# KiCad board Controller.kicad_pcb (continued)
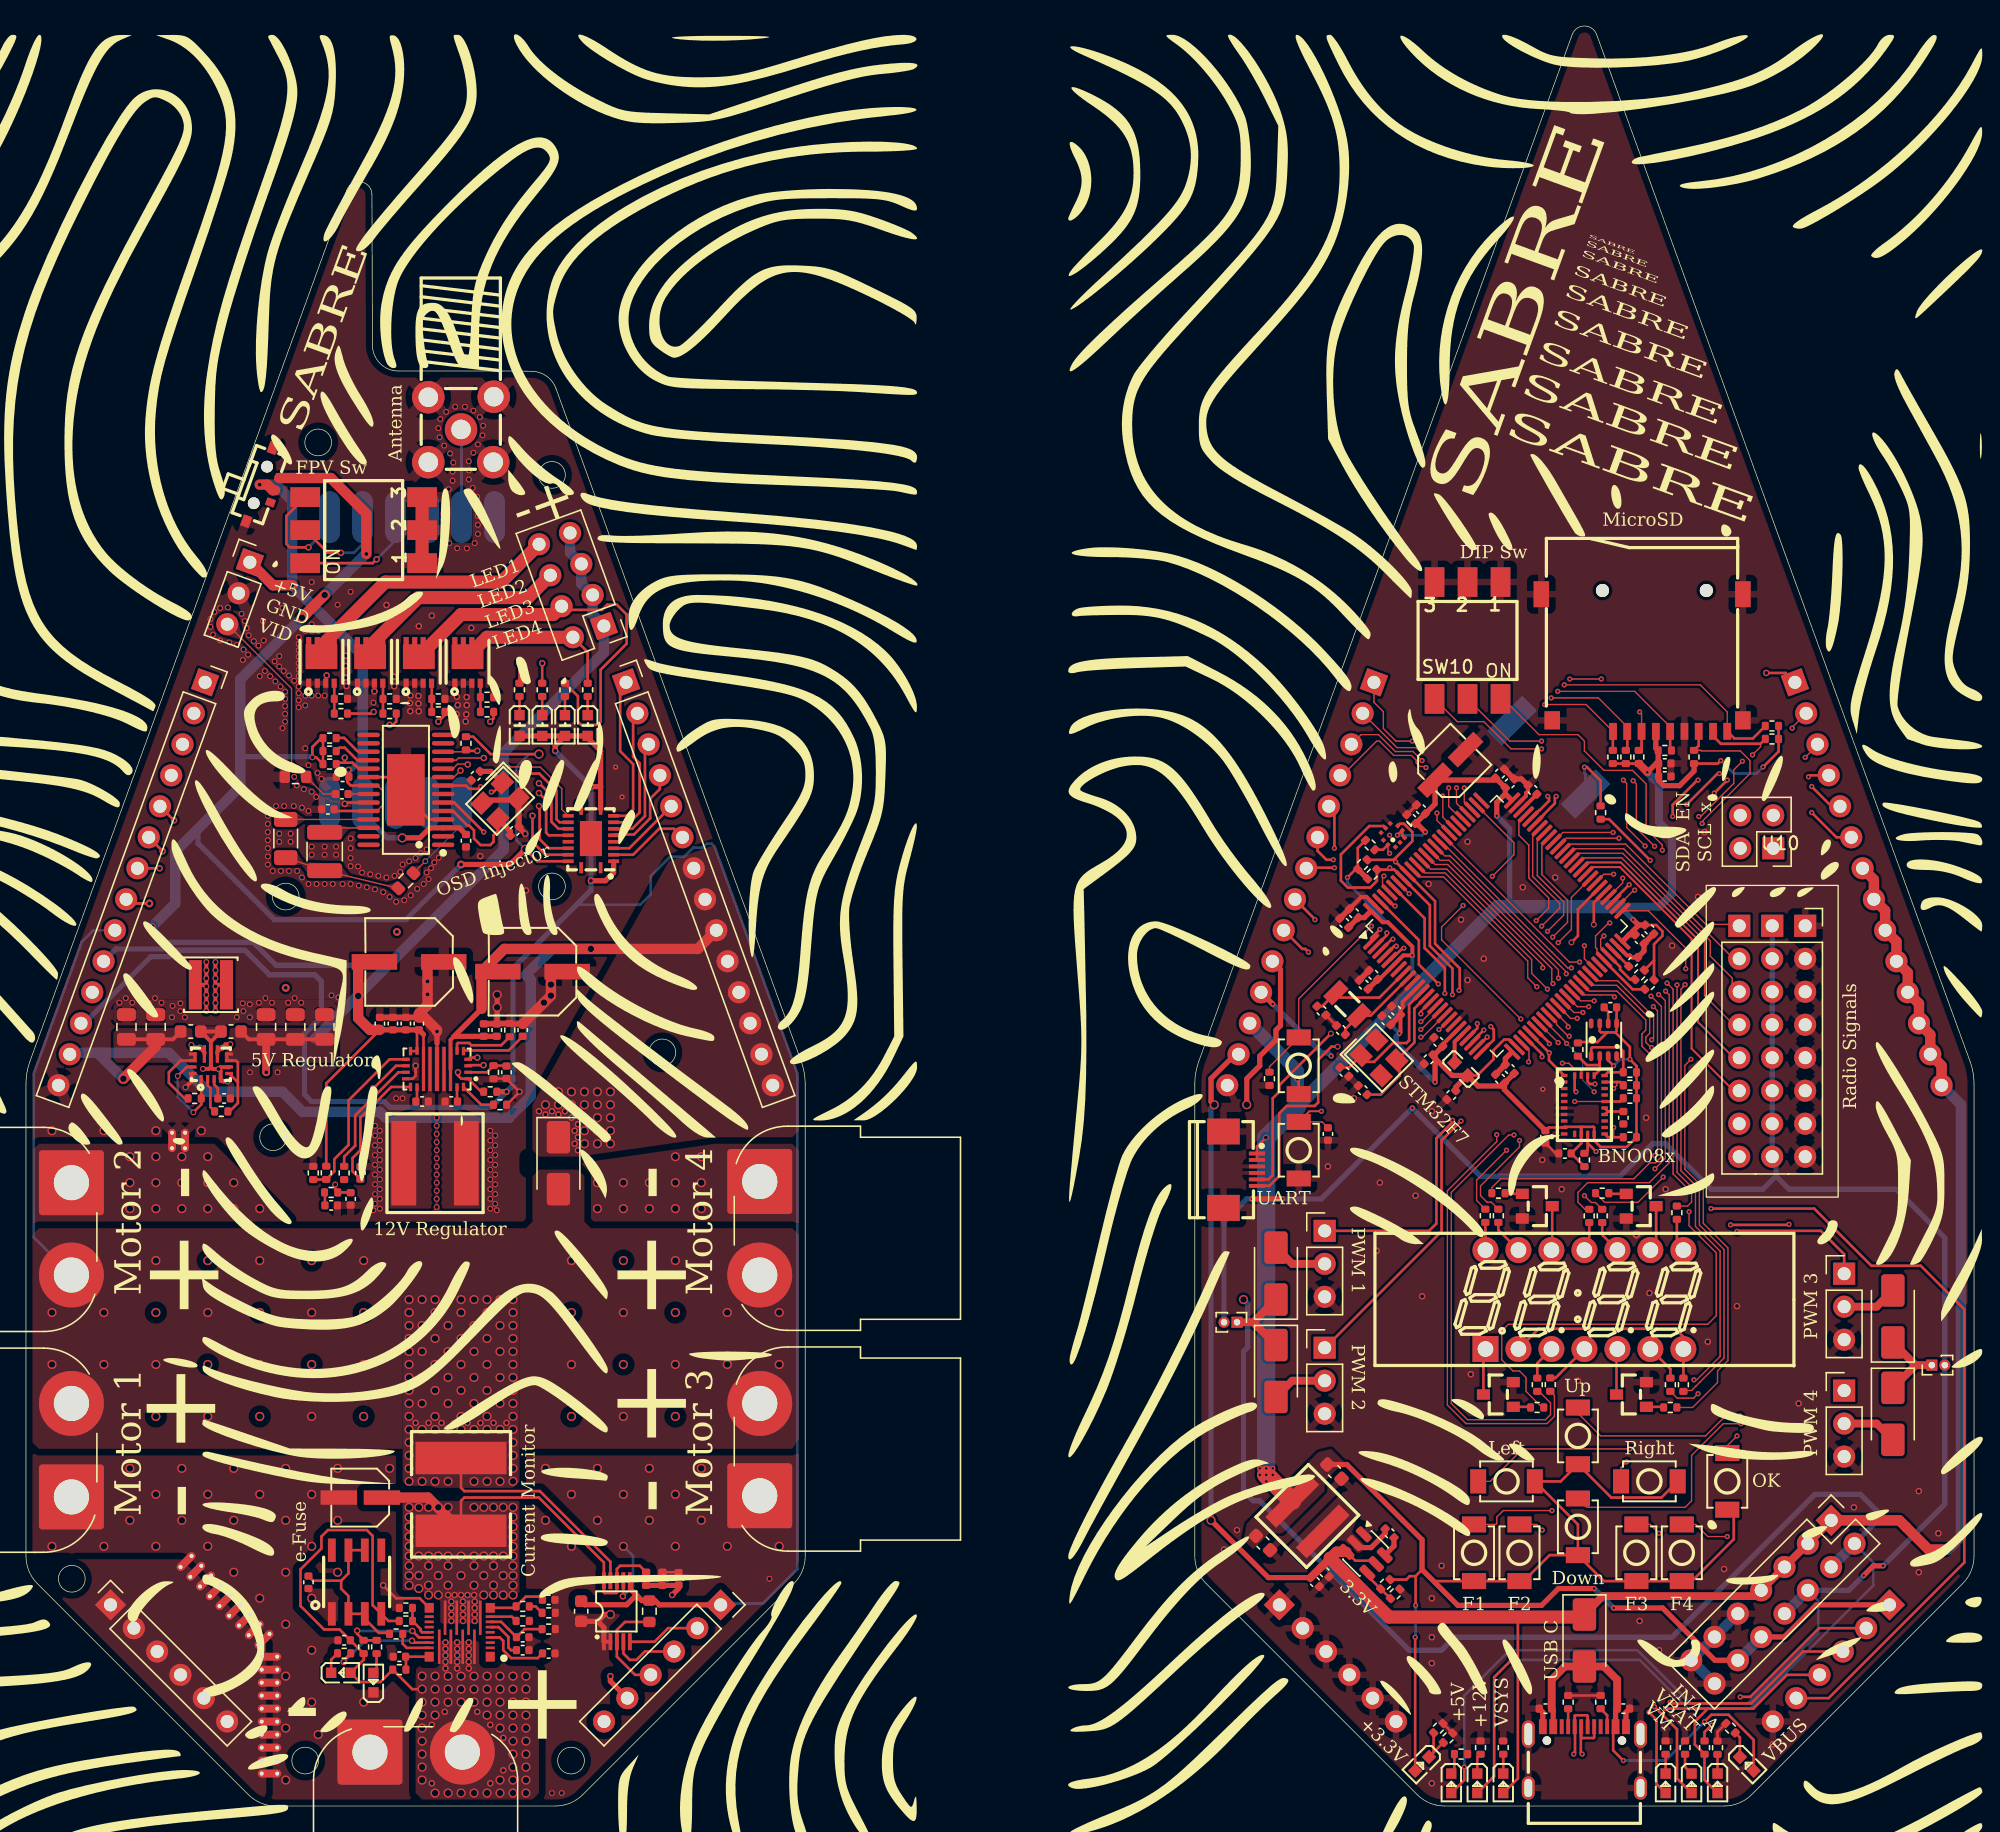
[diagram p0: board, top side]
## Routing (per net, layer and track width the routed paths; a pad name or vN(x,y) marks a point on that pad's centre or on a via; arc(x,y) is an arc through that point) (continued)
GND_B: length 59.5
  Top w0.2: 31.65,58.75 U7.9 ; v3(23.16,87.06) 23.08,86.99 Q1.3 ; U5.20 28.27,79.23 U5.29 29.25,77.78 31.06,75.97 U5.4 ; U7.17 29.78,56 30,56.22 v3(30,57) ; R35.1 36.03,56.02 C44.2 37,56 v3(38,55) 38,54.99 R20.2 ; v3(24.55,77.17) 24.55,77.22 24.6,77.27 U5.23
  Top w0.3: v2(14.82,56.75) 14.95,56.88 15.61,56.88 U9.6 ; v2(14.82,56.75) 14.39,56.75 14.24,56.91 ; v2(14.82,56.75) 14.99,56.59 U9.4 15.18,55.79 v2(15.51,55.79) ; v2(13.63,56.76) 14.1,56.76 14.24,56.91 ; v2(12.29,55.35) 12.73,55.79 12.73,55.85 12.74,55.86 12.74,56.31 U9.15 ; 14.24,58.86 C6.1 C3.1 14.24,58.86 ; 14.24,58.86 U9.10 14.24,56.91
  Top w0.4: C20.1 C21.1 ; 36.28,60.26 C27.1 C16.1 ; 36.28,60.26 v5(36.28,61.5) v5(36.28,62.47) 36.25,62.5 ; 36.28,60.26 R14.2 37.28,60.23 C18.1 ; v3(38.44,74.86) 37.97,75.33 C40.1 37.97,77.5 U15.4 37.77,77.46 35.37,77.46 U15.2 ; v3(31.65,59.64) 31.65,58.75
  Top w0.8: v3(31.65,59.64) 31.65,59.75 30.67,60.73 C21.1 30.25,61 30.92,61.67 v3(30.92,62.5) v3(30.92,63.5) 30.92,65 ; 40.42,64.25 v5(40.42,63.25) v5(40.42,62.4) v5(39.89,61.86) C18.1
  Top w1: SW14.3 SW14.2 SW14.1
  vias: v1(45.4,80) v1(45.9,77.7) v2(7.19,61.86) v2(7.69,62.21) v2(8.19,61.86) v2(9.44,61.86) v2(9.94,62.21) v2(10.44,61.86) v2(11.24,60.74) v2(11.29,61.61) v2(11.89,61.81) v2(11.89,61.21) v2(12.24,60.74) v2(14.2,91.4) v2(14.2,90.8) v2(14.4,90.2) v2(14.5,91.95) v2(14.95,92.25) v2(14.95,89.75) v2(15.55,92.3) v2(15.65,89.6) v2(16.25,89.4) v2(16.24,60.74) v2(16.6,91.8) v2(16.7,88.25) v2(16.69,61.81) v2(16.74,61.21) v2(16.85,91.25) v2(16.75,89.05) v2(17,90.7) v2(17.1,88.65) v2(17.15,90.15) v2(17.24,61.74) v2(17.24,60.74) v2(17.25,56.5) v2(17.55,89.7) v2(17.9,89.35) v2(17.94,61.86) v2(18,87) v2(18.25,91.25) v2(18.3,89.75) v2(18.4,87.4) v2(18.44,62.21) v2(18.62,76.25) v2(18.62,75.62) v2(18.62,75) v2(18.62,74.38) v2(18.62,73.75) v2(18.62,73.12) v2(18.62,72.5) v2(18.8,87) v2(18.75,76.75) v2(18.94,61.86) v2(19,72) v2(19.15,88.15) v2(19.2,86.6) v2(19.25,77) v2(19.38,56.5) v2(19.5,88.55) v2(19.5,87.75) v2(19.5,74.88) v2(19.5,74.25) v2(19.6,86.2) v2(19.62,72) v2(19.75,92.25) v2(19.85,87.4) v2(19.75,83) v2(19.88,77) v2(19.95,85.8) v2(19.95,85.25) v2(19.95,84.7) v2(19.95,84.1) v2(19.95,83.5) v2(20.05,80) v2(20.25,87.05) v2(20.25,72) v2(20.19,61.86) v2(20.38,74.88) v2(20.38,74.25) v2(20.62,77) v2(20.65,86.65) v2(20.65,79.25) v2(20.69,62.21) v2(20.85,78.6) v2(20.88,72) v2(21,90) v2(21,89.5) v2(21,89) v2(21,88.5) v2(21,88) v2(21,87.5) v2(21,87) v2(21,86.2) v2(21,85.7) v2(21,85.15) v2(21,84.6) v2(21.25,76.88) v2(21.25,71.5) v2(21.19,61.86) v2(21.4,78.3) v2(21.5,90.5) v2(21.5,85.5) v2(21.5,84.75) v2(21.5,81.45) v2(21.75,80.15) v2(21.75,76.62) v2(21.75,71) v2(22,94.25) v2(22,91) v2(22,90.5) v2(22,85.5) v2(22,78.1) v2(22,73.88) v2(22,73.25) v2(22.35,77.7) v2(22.38,71) v2(22.5,90.5) v2(22.5,85.5) v2(22.45,79.55) v2(22.75,79.1) v2(23,85.5) v2(23,73.88) v2(23,73.25) v2(23,71) v2(23.53,62.43) v2(23.62,71) v2(23.88,73.88) v2(23.88,73.25) v2(24,92.5) v2(24.05,62.26) v2(24.38,71) v2(25,93.5) v2(25,74.5) v2(25,73.75) v2(25,73) v2(25,72.38) v2(25,71) v2(25.57,72.35) v2(25.62,70.88) v2(25.88,71.88) v2(26.25,70.75) v2(26.5,71.75) v2(26.75,84.96) v2(26.75,45.88) v2(26.87,70.59) v2(26.88,52.38) v2(26.88,51.62) v2(26.88,50.88) v2(26.88,50.12) v2(26.88,49.38) v2(26.88,48.62) v2(26.88,47.88) v2(26.88,47.12) v2(26.88,46.38) v2(27.12,71.62) v2(27.25,52) v2(27.25,51.25) v2(27.25,50.5) v2(27.25,49.75) v2(27.25,49) v2(27.25,48.25) v2(27.25,47.5) v2(27.25,46.75) v2(27.25,46) v2(27.5,70.38) v2(27.75,71.5) v2(28,70) v2(28.38,71.62) v2(28.5,69.62) v2(28.5,54.5) v2(28.82,71.92) v2(29,72.5) v2(29,54.5) v2(29.12,69.75) v2(29.5,72.75) v2(29.62,70.12) v2(30,73) v2(30.12,70.62) v2(30.38,73.37) v2(30.62,71) v2(30.84,73.65) v2(30.85,71.89) v2(31,71.38) v2(31.19,72.22) v2(31.45,72.66) v2(31.62,53) v2(31.62,52.38) v2(31.62,51.75) v2(31.62,51.12) v2(31.62,50.5) v2(31.62,49.88) v2(31.62,49.25) v2(31.62,48.62) v2(31.62,48) v2(31.62,47.38) v2(31.62,46.75) v2(31.62,46.12) v2(31.75,106.1) v2(31.85,105.4) v2(31.79,73.02) v2(31.9,106.8) v2(32.2,104.75) v2(32.18,73.35) v2(32.35,107.35) v2(32.3,100.7) v2(32.31,100) v2(32.3,99.3) v2(32.31,98.6) v2(32.31,97.9) v2(32.55,101.4) v2(32.6,97.25) v2(32.65,104.15) v2(32.85,102.75) v2(32.85,102.05) v2(32.9,103.45) v2(33.05,107.75) v2(33.2,96.85) v2(33.8,107.75) v2(33.95,96.84) v2(34.1,103.55) v2(34.1,102.85) v2(34.1,102.15) v2(34.4,101.5) v2(34.45,107.45) v2(34.45,104.2) v2(34.55,97.25) v2(34.8,104.85) v2(34.75,100.8) v2(34.8,100.05) v2(34.8,99.35) v2(34.8,98.65) v2(34.8,97.95) v2(34.95,106.95) v2(35.2,106.29) v2(35.15,105.55) v2(35.75,52) v2(35.75,51.25) v2(35.75,50.5) v2(35.75,49.75) v2(35.75,49) v2(35.75,48.25) v2(35.75,47.5) v2(35.75,46.75) v2(35.75,46) v2(36.12,51.62) v2(36.12,50.88) v2(36.12,50.12) v2(36.12,49.38) v2(36.12,48.62) v2(36.12,47.88) v2(36.12,47.12) v2(36.12,46.38) v2(36.25,45.88) v3(24.62,88.57) v3(24.61,87.79) v3(24.59,86.89) v3(24.68,86.24) v3(26.57,91.23) v3(26.83,85.83) v3(27.75,92.48) v3(28.34,86.96) v3(28.35,86.22) v3(29.6,85.51) v3(29.57,84.93) v3(29.59,84.31) v3(30.25,90.85) v3(30.22,85.48) v3(30.22,84.89) v3(30.24,84.3) v3(31.25,91.66) v3(33.18,85.41) v3(33.25,84.78) v3(33.16,84.07) v3(33.85,83.51) v3(33.93,85.39) v3(33.94,84.77) v3(33.9,84.06) v3(34.29,90.72) v3(34.97,73.15) v3(38.5,70.5) v3(41,80) v5(2,52) v5(6,52) v5(10,52) v5(13.5,52)
VBAT: length 82.7
  Top w0.2: LED11.2 127.13,2.12 127.13,5.91 v1(125.4,7.65) ; J13.8 99.25,68.28 v1(99.25,68.25)
  In2.Cu w0.2: 99.25,68.28 v1(99.25,68.25) 99.25,53 99.5,52.75 101.5,52.75 101.85,52.4 101.85,31.33 125.4,7.79 v1(125.4,7.65)
VBAT_B: length 163.5
  Top w0.2: v4(9.5,69.5) 8.03,69.5 J15.8 ; R3.2 33.5,23.5 33.75,23.75 39.5,23.75 44.5,18.75 U11.10 44.5,16.45 44.55,16.4 45.45,16.4 45.5,16.45 U11.8 45.5,18.25 45.75,18.5 47.26,18.5 R23.1
  Top w0.8: R3.2 30.95,23.75 C74.1
  In1.Cu w0.2: v4(20,63) 24.25,63 v4(28.56,67.31)
  In2.Cu w0.2: v4(9.5,69.5) 13.87,69.5 20,63.37 v4(20,63) ; v4(28.56,67.31) 30,68.75 43.25,68.75 48,73.5 48,73.67 50.07,75.75 51.88,75.75 52.61,75.02 59.4,56.39 59.4,18.65 59.25,18.5 v5(37.5,18.5)
  vias: v3(32.5,16.25) v3(32.75,15.75) v3(32.75,15.25) v3(32.75,14.75) v3(32.75,14.25) v3(33,16.25) v3(33.5,16.25) v3(33.65,15.75) v3(33.65,15.25) v3(33.65,14.75) v3(33.65,14.25) v3(34,16.25) v3(34.5,16.25) v3(34.55,15.75) v3(34.55,15.25) v3(34.55,14.75) v3(34.55,14.25) v5(29.5,23) v5(29.5,22.25) v5(29.5,21.5) v5(29.5,20.75) v5(29.5,20) v5(29.5,19.25) v5(29.5,18.5) v5(29.5,17.75) v5(29.5,17) v5(30.25,23) v5(30.25,19.25) v5(30.25,17.75) v5(30.25,16.75) v5(31,23) v5(31,19.25) v5(31,18.5) v5(31,17) v5(31,16.25) v5(31.75,23) v5(31.75,19.25) v5(31.75,17.75) v5(31.75,16.25) v5(32.5,23) v5(32.5,19.25) v5(32.5,18.5) v5(32.5,17) v5(33.5,19.25) v5(33.5,17.75) v5(34.5,23) v5(34.5,19.25) v5(34.5,18.5) v5(34.5,17) v5(35.25,23) v5(35.25,19.25) v5(35.25,17.75) v5(35.25,16.25) v5(36,23) v5(36,19.25) v5(36,18.5) v5(36,17) v5(36,16.25) v5(36.75,23) v5(36.75,19.25) v5(36.75,17.75) v5(36.75,16.25) v5(37.5,23) v5(37.5,22.25) v5(37.5,21.5) v5(37.5,20.75) v5(37.5,20) v5(37.5,19.25) v5(37.5,17.75) v5(37.5,17) v5(37.5,16.25)
VBUS: length 30.9
  Top w0.2: v1(123,3.5) 122.21,4.29 122.21,5.92 USB1.B4A9 ; v1(129.25,6.5) 129.78,7.03 131.1,7.03 133.03,5.1 LED2.2
  Top w0.4: C35.1 117.6,7.38 USB1.A4B9 ; USB1.B4A9 122.4,7.38 C77.1
  Top w0.6: C35.1 117.48,9.73 118.5,10.75 D1.2 121.5,10.75 122.52,9.73 C77.1
  Bottom w0.2: v1(123,3.5) 126.25,3.5 v1(129.25,6.5)
BMP580_INT: length 5.3
  Top w0.1: U3.7 104.88,73.49 v1(105,73.36) ; U1.96 104.45,70.89 104.45,71.51 v1(104.56,71.61)
  Top w0.2: U3.7 104.49,73.64 R102.2
  In2.Cu w0.1: v1(104.56,71.61) 104.56,72.92 v1(105,73.36)
BNO580_BOOTN: length 15.3
  Top w0.1: v1(118.83,59.28) 118.83,59.28 118.75,59.28 117.85,60.18 117.85,60.32 U1.34
  Top w0.2: R27.2 120.25,50.51 U2.4 120.25,51.04 v1(120.9,50.4)
  In2.Cu w0.1: v1(120.9,50.4) 119.8,51.49 119.8,58.2 118.83,59.17 v1(118.83,59.28)
BNO580_CSN: length 30.3
  Top w0.1: v1(115.1,60.6) 109,66.7 109,67.68 v1(110.66,69.34) ; v1(112.91,71.59) 114.57,73.25 114.57,74.18 111.71,77.04 U1.77 ; U2.18 119.75,56.63 119.63,56.75 119.25,56.75 118.8,57.2 v1(118.3,57.2)
  In2.Cu w0.1: v1(115.1,60.6) 115.1,60.32 115.55,59.87 115.55,58.25 116.6,57.2 v1(118.3,57.2) ; v1(112.91,71.59) v1(110.66,69.34)
BNO580_INTN: length 10.9
  Top w0.1: 122.5,55.75 122.5,55.5 v1(122.25,55.25) ; v1(118.63,58.72) 118.63,58.77 116.91,60.49 U1.33
  Top w0.2: U2.14 122.74,55.75 R98.2
  In2.Cu w0.1: v1(122.25,55.25) 122,55 v1(120.75,55)
  Bottom w0.1: v1(120.75,55) 119.86,55.89 119.86,57.48 v1(118.63,58.72)
BNO580_MISO: length 4.3
  Top w0.2: U2.20 117.27,57.42 117.27,57.97 v1(117.3,58) 115.85,59.44 U1.30
BNO580_MOSI: length 8.2
  Top w0.2: U2.17 120.25,55.77 120.43,55.6 v1(120.81,55.6) ; U1.31 117.3,58.75 v1(117.3,58.7)
  In1.Cu w0.2: v1(117.3,58.7) 117.8,58.2 117.8,56.99 119.19,55.6 v1(120.81,55.6)
BNO580_NRST: length 10.9
  Top w0.1: v1(119.25,54.25) U2.11 ; v1(117.98,58.79) 117.51,59.26 117.5,59.26 U1.32
  Top w0.2: U2.11 122.74,54.25 R97.2
  In2.Cu w0.1: v1(117.98,58.79) 117.98,58.52 118.75,57.75 118.75,54.75 v1(119.25,54.25)
BNO580_SCLK: length 7.1
  Top w0.2: U2.19 119.25,55.1 v1(119.35,55) ; v1(116.74,57.69) 116.74,57.89 U1.29
  In1.Cu w0.2: v1(119.35,55) 119.22,55 116.74,57.48 v1(116.74,57.69)
BNO580_WAKE: length 13.7
  Top w0.1: U1.35 118.75,60.13 v1(118.75,60) ; 122.25,51.5 v1(122.25,52.25)
  Top w0.2: U2.6 121.81,51.5 R96.2
  In2.Cu w0.1: v1(118.75,60) 120.25,58.5 120.25,53.41 121.41,52.25 v1(122.25,52.25)
BOOT: length 20
  Top w0.1: R22.1 95.75,56.93 SW12.2 98,62.15 v1(103.6,67.75) ; U1.94 v1(106.5,70.25)
  In2.Cu w0.1: v1(103.6,67.75) 104.55,68.7 105.7,68.7 106.5,69.5 v1(106.5,70.25)
BUTTON_DECREASE: length 60.4
  Top w0.1: SW4.1 120.18,23 127.75,23 128.25,23.5 128.25,27 130.69,29.44 v1(132.06,29.44) ; U1.39 119.7,62 v1(120.75,62)
  In2.Cu w0.1: v1(120.75,62) 120.9,61.85 122.97,61.85 124.42,60.4 124.42,57.49 124.98,56.94 125.86,56.94 128.78,54.02 128.78,49.03 131.06,46.75 132.63,46.75 133.25,46.13 133.25,30.63 v1(132.06,29.44)
BUTTON_F1: length 73.6
  Top w0.1: v1(125.18,57.8) 125.14,57.8 124.42,58.51 124.42,59.45 124.72,59.75 124.72,60.53 122.5,62.75 120.37,62.75 U1.41 ; v1(117.5,22.75) 113.75,22.75 113.25,22.25 113.25,21.75 113.18,21.68 SW6.1
  In2.Cu w0.1: v1(117.5,22.75) 118.45,21.8 132.78,21.8 133.85,22.87 133.85,47.13 133.63,47.35 131.31,47.35 129.38,49.28 129.38,54.27 125.85,57.8 125.14,57.8 v1(125.18,57.8)
BUTTON_F2: length 69.8
  Top w0.1: v1(125.18,58.4) 125.14,58.4 124.73,58.81 124.73,59.2 125.02,59.5 125.02,60.66 122.49,63.2 120.63,63.2 U1.42 ; SW7.1 116.32,21.68 v1(116.75,21.25)
  In2.Cu w0.1: v1(116.75,21.25) 117,21.5 132.9,21.5 134.15,22.75 134.15,47.25 133.75,47.65 131.44,47.65 129.68,49.4 129.68,54.39 125.67,58.4 125.14,58.4 v1(125.18,58.4)
BUTTON_F3: length 61.3
  Top w0.1: v1(125.18,59) 125.33,59.15 125.33,60.78 122.56,63.55 120.98,63.55 U1.43 ; SW8.1 125.07,21.68 v1(125.75,21)
  In2.Cu w0.1: v1(125.18,59) 125.5,59 129.98,54.52 129.98,49.53 131.56,47.95 133.88,47.95 134.45,47.38 134.45,22.62 133.03,21.2 125.95,21.2 v1(125.75,21)
BUTTON_F4: length 62.2
  Top w0.1: SW9.1 128.57,21.68 129.5,20.75 v1(131,20.75) ; v1(127.8,64.47) 127.8,66.06 124.93,68.93 U1.51
  In2.Cu w0.1: v1(131,20.75) 133,20.75 134.75,22.5 134.75,47.5 134,48.25 131.69,48.25 130.28,49.65 130.28,61.99 v1(127.8,64.47)
BUTTON_INCREASE: length 56.4
  Top w0.1: SW3.1 119.5,30.25 121.25,28.5 129.32,28.5 130.86,30.04 v1(131.99,30.04) ; U1.38 119.45,61.55 v1(120.33,61.55)
  In2.Cu w0.1: v1(120.33,61.55) 122.85,61.55 124.12,60.27 124.12,57.36 124.85,56.63 125.74,56.63 128.48,53.89 128.48,48.91 130.94,46.44 132.5,46.44 132.94,46 132.94,30.76 132.23,30.04 v1(131.99,30.04)
BUTTON_LEFT: length 63.9
  Top w0.1: v1(123.5,27.5) 115.25,27.5 112.75,25 SW1.1 ; U1.36 118.93,60.65 v1(119.44,60.65)
  In2.Cu w0.1: v1(123.5,27.5) 123.55,27.55 128.38,27.55 132.34,31.52 132.34,45.75 132.25,45.84 130.69,45.84 127.88,48.66 127.88,53.65 125.49,56.03 124.54,56.03 124.13,56.45 123.49,56.45 122.75,57.19 122.75,58.17 123.31,58.74 123.31,60.19 122.85,60.65 119.7,60.65 v1(119.44,60.65)
BUTTON_OK: length 45.9
  Top w0.1: SW5.1 131,27.75 v1(131.75,28.5) ; U1.40 119.96,62.45 122.16,62.45 v1(122.31,62.3)
  In2.Cu w0.1: v1(131.75,28.5) 133.55,30.3 133.55,46.25 132.75,47.05 131.19,47.05 129.08,49.16 129.08,54.14 125.99,57.24 125.1,57.24 124.73,57.61 124.73,59.23 124.75,59.25 124.75,60.5 122.95,62.3 v1(122.31,62.3)
BUTTON_RIGHT: length 54.1
  Top w0.1: U1.37 119.19,61.1 v1(119.89,61.1) ; SW2.1 122.82,26.07 v1(123.25,26.5)
  In2.Cu w0.1: v1(119.89,61.1) 122.87,61.1 123.61,60.36 123.61,58.61 123.05,58.05 123.05,57.31 123.61,56.75 124.25,56.75 124.67,56.33 125.61,56.33 128.18,53.77 128.18,48.78 130.81,46.14 132.38,46.14 132.64,45.88 132.64,31.39 128.5,27.25 124,27.25 v1(123.25,26.5)
BUZZER: length 9.5
  Top w0.2: U1.53 122.21,69.71 v1(123.45,70.95) ; v1(125.07,72.82) 121.9,75.99 R78.1
  In2.Cu w0.2: v1(123.45,70.95) 125.07,72.57 v1(125.07,72.82)
DIP_1: length 25.8
  Top w0.1: v1(123.87,70.52) 123.8,70.52 U1.52 ; SW10.6 113.75,85.25 116.5,82.5 119.5,82.5 120,82 120,81.25 121.5,79.75 123.7,79.75 124.75,78.7 124.75,75.25 126,74 v1(126,73.6)
  In2.Cu w0.1: v1(123.87,70.52) 126,72.65 v1(126,73.6)
DIP_2: length 26.6
  Top w0.1: SW10.5 114.25,82 v1(116.7,82) ; v1(123.75,78.95) 124,78.7 124,75.3 v1(125.4,73.9) ; v1(122.95,71.45) 122.95,71.08 U1.54
  In2.Cu w0.1: v1(116.7,82) 120.7,82 v1(123.75,78.95) ; v1(122.95,71.45) v1(125.4,73.9) 125.5,74
DIP_3: length 28
  Top w0.1: v1(122.25,71.75) 121.49,71.75 U1.57 ; SW10.4 110.21,83.5 112.25,83.5 114.35,81.4 v1(116.7,81.4) ; v1(123,79) 123.25,78.75 123.25,75.35 v1(124.68,73.92)
  In2.Cu w0.1: v1(124.68,73.92) 122.5,71.75 v1(122.25,71.75) ; v1(116.7,81.4) 120.6,81.4 v1(123,79)
DISP_A: length 46.3
  Top w0.1: U1.87 108.88,72.82 109.57,72.82 118,64.4 v1(118,63.75) ; R41.2 120.05,45.95 119.5,46.5 119.5,47.25 120.25,48 125,48 126.53,49.53 126.53,62.47 v1(126.25,62.75)
  In2.Cu w0.1: v1(118,63.75) 118.12,63.63 119.45,63.63 119.75,63.94 125.06,63.94 v1(126.25,62.75)
DISP_B: length 41.3
  Top w0.1: U1.86 109.25,73.16 109.66,73.16 118.61,64.22 v1(118.61,64.08) ; R44.2 127.95,46.2 128.25,46.5 128.25,47.25 126.83,48.67 126.83,62.9 v1(126.36,63.36)
  In2.Cu w0.1: v1(126.36,63.36) 125.5,64.23 125.5,64.24 119.5,64.24 119.35,64.08 v1(118.61,64.08)
DISP_C: length 59.2
  Top w0.1: v1(128.43,32.82) 128.64,32.82 130.45,34.62 130.45,42.73 128.55,44.62 128.55,47.37 127.13,48.79 v1(127.13,63.23) ; U1.85 109.01,74.24 118.71,64.54 v1(119,64.54) ; v1(128.75,31.75) 128.41,31.41 127.14,31.41 R38.2
  In2.Cu w0.1: v1(128.75,31.75) 128.43,32.07 v1(128.43,32.82) ; v1(127.13,63.23) 125.83,64.54 v1(119,64.54)
DISP_D: length 57.7
  Top w0.1: U1.84 118.84,64.99 v1(119.63,64.99) ; R39.2 127.69,32 128.25,32 128.62,32.37 130.75,34.5 130.75,42.85 128.85,44.75 128.85,47.5 127.43,48.92 127.43,62.89 127.58,63.04 127.58,63.08 v1(127.75,63.25)
  In2.Cu w0.1: v1(127.75,63.25) 126.01,64.99 v1(119.63,64.99)
DISP_D2D1: length 30.3
  Top w0.1: v1(115,51.25) 115,50.75 112,47.75 112,47 112.5,46.5 112.83,46.5 R45.2 ; U1.58 119,69.96 119,67.5 v1(117.98,66.48)
  In2.Cu w0.1: v1(115,51.25) 115.25,51.5 115.25,59.75 114.5,60.5 114.5,63 v1(117.98,66.48)
DISP_DIG1: length 75.2
  Top w0.1: R46.1 116.74,30.69 115.5,31.93 115.5,33 115,33.5 114.5,33.5 113.63,34.37 113.63,36.58 114.15,37.1 115,37.1 115,37.1 129.5,37.1 130.15,37.75 130.15,42.6 128.06,44.69 v1(128.06,45.76) ; v1(116.33,63.08) 115.63,63.78 115.63,65.06 109.15,71.55 107.33,71.55 U1.91 ; v1(125.4,50.1) 125.51,49.99 125.63,50.11 125.63,61.24 v1(125.31,61.56)
  In2.Cu w0.1: v1(116.33,63.08) 116.97,62.45 117.88,62.45 118,62.57 119.92,62.57 120.37,63.03 124.29,63.03 124.66,62.66 124.66,62.18 125.29,61.56 v1(125.31,61.56) ; v1(128.06,45.76) 127.75,46.07 127.75,47.5 125.4,49.85 v1(125.4,50.1)
DISP_DIG2: length 50.5
  Top w0.1: R48.1 112.87,47.62 113.55,48.3 123.8,48.3 125.03,49.53 125.47,49.53 125.93,49.99 125.93,61.57 125.14,62.36 v1(125.13,62.36) ; v1(117.15,62.9) 115.94,64.12 115.94,65.19 109.27,71.85 107.74,71.85 U1.90
  In2.Cu w0.1: v1(125.13,62.36) 125.13,62.62 124.42,63.33 120.25,63.33 119.79,62.87 117.18,62.87 v1(117.15,62.9)
DISP_DIG3: length 62.2
  Top w0.1: U1.89 108.14,72.15 109.4,72.15 116.79,64.75 v1(116.79,64.54) ; v1(128.2,57.5) 127.73,57.03 127.73,49.04 129.15,47.62 129.15,44.87 131.05,42.98 131.05,34.3 130.25,33.5 130.25,32.61 128.33,30.69 R36.1
  In2.Cu w0.1: v1(128.2,57.5) 128.2,63.44 126.35,65.29 120.25,65.29 120.04,65.5 117.75,65.5 v1(116.79,64.54)
DISP_DIG4: length 44.6
  Top w0.1: R47.1 121.56,46.49 124.13,46.49 v1(126.07,48.43) ; v1(125.71,62.48) 125.77,62.48 126.23,62.02 126.23,49.87 v1(125.43,49.07) ; v1(117.58,63.33) 117.49,63.41 117.49,64.49 109.47,72.5 108.5,72.5 U1.88
  In2.Cu w0.1: v1(117.58,63.33) 117.6,63.3 119.66,63.3 120,63.64 124.94,63.64 125.71,62.86 v1(125.71,62.48) ; v1(125.43,49.07) v1(126.07,48.43)
DISP_DP: length 59.8
  Top w0.1: v1(117.56,66.91) 118.7,68.05 118.7,69.75 116.72,71.73 116.72,74.05 U1.67 ; R40.2 116.5,31.93 117.39,31.04 117.39,30.14 117,29.75 111,29.75 109.75,31 109.75,47.25 114.17,51.67 v1(114.58,51.67)
  In2.Cu w0.1: v1(117.56,66.91) 117.16,66.51 117.16,66.09 114.2,63.12 114.2,60.38 114.95,59.63 114.95,52.05 v1(114.58,51.67)
DISP_E: length 61.6
  Top w0.1: U1.72 114.96,75.82 114.96,74.76 115.72,74 115.72,71.46 117.25,69.92 117.25,69.14 v1(116.29,68.18) ; R37.2 117.69,31.62 117.69,30.02 117.12,29.45 110.88,29.45 109.45,30.88 109.45,47.37 113.25,51.17 v1(113.25,51.69)
  In2.Cu w0.1: v1(116.29,68.18) 116.1,67.99 116.1,66.3 113.3,63.5 113.3,60 114.05,59.25 114.05,52.75 113.25,51.95 v1(113.25,51.69)
DISP_F: length 34.2
  Top w0.1: v1(114,50.5) 111.7,48.2 111.7,46.63 R42.2 ; v1(116.71,67.75) 118.1,69.14 118.1,69.5 116.02,71.58 116.02,74.76 U1.69
  In2.Cu w0.1: v1(114,50.5) 113.7,50.8 113.7,51.98 114.35,52.62 114.35,59.38 113.6,60.13 113.6,63.37 116.4,66.18 116.4,67.44 v1(116.71,67.75)
DISP_G: length 36.8
  Top w0.1: v1(120,47) 120.53,46.47 120.85,46.47 R43.2 ; U1.68 116.37,74.41 116.37,71.65 118.4,69.63 118.4,68.59 v1(117.16,67.35)
  In2.Cu w0.1: v1(117.16,67.35) 116.7,66.9 116.7,66.05 113.9,63.25 113.9,60.25 114.65,59.5 114.65,52.5 114,51.85 114,51.25 116.5,48.75 118.25,48.75 v1(120,47)
EXTRA_I2C_EN: length 19.3
  Top w0.1: v1(120,66.25) 120,65.24 U1.44
  In2.Cu w0.1: v1(120,66.25) 120,68 121.75,69.75 123.75,69.75 128,74 129.71,74 J12.4
EXTRA_I2C_SCL: length 23
  Top w0.1: U1.46 120.96,65.7 120.96,66 120.86,66.11 120.86,66.99 121.86,68 v1(121.95,68)
  Top w0.2: U1.46 121.51,65.1 123.72,62.89 R103.1
  In2.Cu w0.1: v1(121.95,68) 121.95,68.55 122.25,68.85 124.2,68.85 127.6,72.25 133.04,72.25 J12.1
EXTRA_I2C_SDA: length 19
  Top w0.1: U1.47 121.25,66.11 121.25,66.75 v1(121.5,67)
  Top w0.2: R104.1 123.53,63.64 122.75,64.42 122.75,64.62 U1.47
  In2.Cu w0.1: v1(121.5,67) 121.5,68.57 122.07,69.15 124.07,69.15 128.32,73.4 131.65,73.4 J12.2
GPS_RX: length 42.4
  Top w0.2: v2(120.72,67.88) 120.72,69.57 U1.55 ; GPS.5 95.67,48.25 96,48.58 96,54.5 96.5,55 96.5,55.5 100,59 100,59 v2(100.48,59.48)
  In1.Cu w0.2: v2(100.48,59.48) 100.96,59 102.5,59 113,69.5 119.1,69.5 v2(120.72,67.88)
GPS_TX: length 44.3
  Top w0.2: U1.56 119.5,69.05 119.5,67 v2(119,66.5) ; GPS.6 95.73,47.75 96.5,48.52 96.5,53.33 97.08,53.9 99.23,53.9 99.5,54.17 99.5,57.46 100.52,58.47 v2(101,58.47)
  In1.Cu w0.2: v2(101,58.47) 102.54,58.47 113.17,69.1 116.9,69.1 119,67 v2(119,66.5)
HSE_IN: length 10.7
  Top w0.2: U1.12 106.5,61.71 106.5,61.11 106.5,61.11 106.5,58.96 106.29,58.75 105.25,58.75 103.8,57.3 103.29,57.3 X1.1 101.87,56.87 C61.2
HSE_OUT: length 10.2
  Top w0.2: C60.1 104.31,54.78 105.77,56.24 105.77,57.23 X1.3 106.9,58.79 106.9,61.4 U1.13
INA_ALERT_B: length 8
  Top w0.2: R101.1 46.12,14.18 45.5,13.55 U11.3 45.5,11.5 46.9,10.1 J16.4
INA_ALERT_T: length 98.3
  Top w0.2: 129.5,7.5 133,7.5 135.6,10.1 J14.4 ; 129.5,7.5 128.5,6.5 128.5,4.74 R6.1 129.25,2 LED3.2 ; 129.5,7.5 v1(126.25,7.5) ; v1(109.25,62.58) 109.25,64.51 107.7,66.07 107.7,68.35 U1.95
  In2.Cu w0.2: v1(126.25,7.5) 102.25,31.5 102.25,52 109.3,59.05 109.3,62.2 109.25,62.25 v1(109.25,62.58)
LED1_POWER: length 35.5
  Top w0.2: R67.2 v3(38,88)
  Top w1: Q1.6 27.67,94.25 36.6,94.25 J21.8
  In2.Cu w0.2: v3(38,88) 38.55,87.45 40.45,87.45 40.75,87.75 40.75,90.26 42.4,91.91 42.4,94.38 39.62,97.16 J21.8
LED1_PWM_B: length 18.9
  Top w0.2: v3(26.77,84.25) 26.64,84.12 R17.2
  In2.Cu w0.2: J15.1 13.79,85.71 18,81.5 19.05,81.5 22,84.45 26.57,84.45 v3(26.77,84.25)
LED1_PWM_T: length 34.2
  Top w0.1: v1(106.75,82) 105.49,82 104.52,82.97 104.52,84.27 103.79,84.99 J13.1 ; v1(107.4,60.4) 107.44,60.4 108.53,61.49 U1.15
  In2.Cu w0.1: v1(106.75,82) 106.75,79 102.25,74.5 102.25,67 107.85,61.4 107.85,60.81 107.44,60.4 v1(107.4,60.4)
LED2_POWER: length 24.2
  Top w0.2: R60.2 v3(39.75,88)
  Top w1: J21.6 38.65,93.05 30.22,93.05 Q2.6
  In2.Cu w0.2: J21.6 39.75,94.15 v3(39.75,88)
LED2_PWM_B: length 19.2
  Top w0.2: R18.2 28.51,83.51 28.25,83.25 v3(28,83.25)
  In2.Cu w0.2: v3(28,83.25) 26.99,83.25 26.19,84.05 22.17,84.05 19.12,81 16.07,81 J15.2
LED2_PWM_T: length 33.9
  Top w0.1: v1(107.25,81.5) 105.57,81.5 J13.2 ; U1.16 108.88,61.24 107.44,59.8 v1(107.4,59.8)
  In2.Cu w0.1: v1(107.25,81.5) 107.05,81.3 107.05,78.88 102.55,74.38 102.55,67.12 108.16,61.52 108.16,60.69 108.11,60.64 108.16,60.59 108.16,60.51 107.44,59.8 v1(107.4,59.8)
LED3_POWER: length 32.6
  Top w0.2: J21.4 41.53,92.1 44.35,92.1 44.75,92.5 45.5,92.5 46.25,91.75 46.25,89.5 44.25,87.5 44.25,83.5 44,83.25 42.75,83.25 42.5,83.5 42.5,85.46 R68.2
  Top w1: J21.4 40.61,91.75 33.5,91.75 Q5.8
LED3_PWM_B: length 23.2
  Top w0.2: v3(31.75,83.5) 32.25,84 32.25,84.24 R21.2
  In2.Cu w0.2: v3(31.75,83.5) 29.25,83.5 28.45,82.7 26.97,82.7 26.02,83.65 22.33,83.65 19.18,80.5 13.31,80.5 J15.3
LED3_PWM_T: length 35.1
  Top w0.1: U1.17 107.53,59.2 v1(107.4,59.2) ; v1(107.5,80.5) 106.8,81.2 105.44,81.2 104.14,82.5 102.8,82.5 J13.3
  In2.Cu w0.1: v1(107.4,59.2) 107.45,59.2 108.46,60.21 108.46,61.64 102.85,67.25 102.85,74.25 107.35,78.75 107.35,80.35 v1(107.5,80.5)
LED4_POWER: length 12.7
  Top w0.2: J21.2 43.25,88.86 R69.2
  Top w1: J21.2 35.5,90 Q3.8
LED4_PWM_B: length 28
  Top w0.2: v3(35.75,83.5) 36,83.75 36,84.24 R19.2
  In2.Cu w0.2: J15.4 11.82,80 19.25,80 22.5,83.25 25.75,83.25 26.7,82.3 28.8,82.3 29.5,83 29.55,82.95 35.2,82.95 v3(35.75,83.5)
LED4_PWM_T: length 34.2
  Top w0.1: U1.18 108.83,59.79 v1(108.8,59.79) ; v1(107.8,79.96) 107.7,80.06 107.69,80.05 107.31,80.05 107.05,80.31 107.05,80.53 106.68,80.9 105.32,80.9 104.22,82 104,82 101.37,79.37 J13.4
  In2.Cu w0.1: v1(108.8,59.79) 108.76,59.84 108.76,61.77 103.15,67.37 103.15,74.13 107.65,78.63 107.65,79.81 v1(107.8,79.96)
LSE_IN: length 8
  Top w0.2: U1.8 104.21,62.25 101.25,62.25 X2.1 99.82,61.59 C59.1
LSE_OUT: length 6.9
  Top w0.2: C62.1 101.59,59.82 X2.2 103.54,60.87 U1.9
MAIN_SCK_B: length 41
  Top w0.2: v3(10.52,73.52) J15.6 ; U7.3 34.1,57.05 v3(35.23,57.05) ; U11.5 48.4,12.65 49.44,13.69 J16.2
  In2.Cu w0.2: v3(35.23,57.05) 33.93,55.75 28.75,55.75 10.98,73.52 v3(10.52,73.52)
MAIN_SCK_T: length 110.6
  Top w0.2: U3.2 105.78,75.64 106.1,75.64 106.75,74.99 106.75,74.3 105.31,72.86 ; 105.31,72.86 v1(105.46,72.71) U1.92 108.5,69.67 108.5,66.4 110.4,64.5 110.4,62.86 v1(110.35,62.8) ; 105.31,72.86 R99.2 ; v1(100.67,72.87) 100.13,72.87 99.45,73.55 J13.6 ; J14.2 138.06,13.69 132.77,8.4 v1(132,8.4)
  In1.Cu w0.2: v1(100.67,72.87) 100.67,72.86 105.31,72.86 v1(105.46,72.71) ; 110.4,62.75 v1(110.35,62.8)
  In2.Cu w0.2: v1(110.35,62.8) 110.4,62.75 110.4,59.02 103.05,51.67 103.05,31.83 126.39,8.5 126.39,8.5 126.81,8.5 127.03,8.28 131.88,8.28 v1(132,8.4)
MAIN_SDA_B: length 42.5
  Top w0.2: v3(34.75,57.63) 34.18,57.63 U7.4 ; J16.3 47.65,11.9 47,11.25 46.5,11.25 46,11.75 U11.4 ; v3(10.29,72.21) J15.7
  In2.Cu w0.2: v3(10.29,72.21) 10.75,71.75 12.18,71.75 28.58,55.35 34.31,55.35 35.78,56.82 35.78,57.28 35.43,57.63 v3(34.75,57.63)
MAIN_SDA_T: length 112.5
  Top w0.2: J14.3 136.83,11.9 132.83,7.9 126.7,7.9 126.6,8 v1(126.6,8) ; v1(100.75,72.25) 98.62,72.25 J13.7 ; v1(109.84,62.48) 109.84,64.49 108.1,66.23 108.1,69.37 U1.93 105.35,72.11 R100.2 104.02,71.23 103.51,70.72 101.78,70.72 101.25,71.25 101.25,73.28 103.43,75.46 104.54,75.46 U3.4
  In1.Cu w0.2: v1(100.75,72.25) 100.96,72.46 104.8,72.46 v1(105.01,72.25)
  In2.Cu w0.2: v1(126.6,8) 126.46,8 126.32,8 102.65,31.67 102.65,51.83 109.8,58.98 109.8,62.43 v1(109.84,62.48)
MAX7456_CS_3.3V_B: length 7
  Top w0.2: U16.6 45.31,74.81 46.81,74.81 48.06,76.06 48.06,77.56 48.81,78.31 J20.4
MAX7456_CS_3.3V_T: length 40.3
  Top w0.2: v1(130,78) v1(131,79) ; v1(105.25,66.75) 105.18,66.75 U1.3 ; v1(137.25,79.25) 137.37,79.37 J18.4
  In2.Cu w0.2: v1(105.25,66.75) 105.75,67.25 107.17,67.25 116.42,76.5 118.41,76.5 119.71,77.8 129.8,77.8 v1(130,78) ; v1(137.25,79.25) 136.8,78.8 131.2,78.8 v1(131,79)
MAX7456_CS_5V: length 13
  Top w0.2: U5.8 33.88,78.58 34.13,78.33 34.83,78.33 v1(35,78.5) ; U16.15 40.25,74.75 40.05,74.95 40.05,77.45 v3(39.5,78)